# Altium PCB mainboard.PcbDoc (part 1 of 2)
Units mil, origin at the board's own origin, x right, y up, seen from the top; angles counter-clockwise.
Board outline 4724.41 x 2362.21 mil, 2 copper layers (Top Layer, Bottom Layer); 92 components, 82 nets, 574 pads, 267 vias.
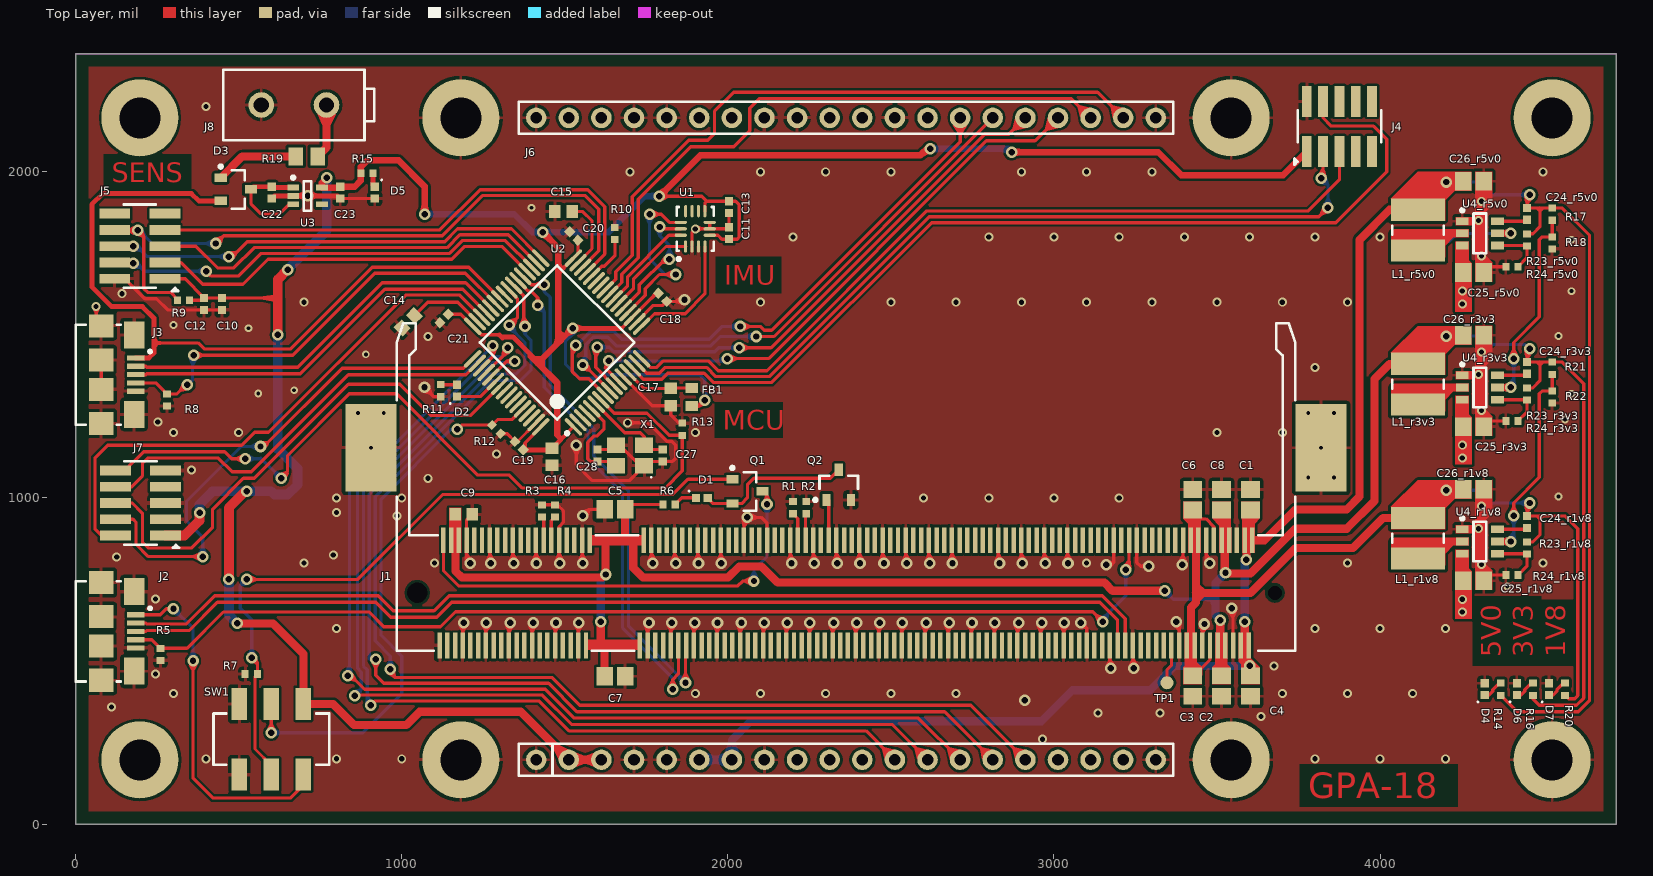
[diagram p0: Top Layer view]
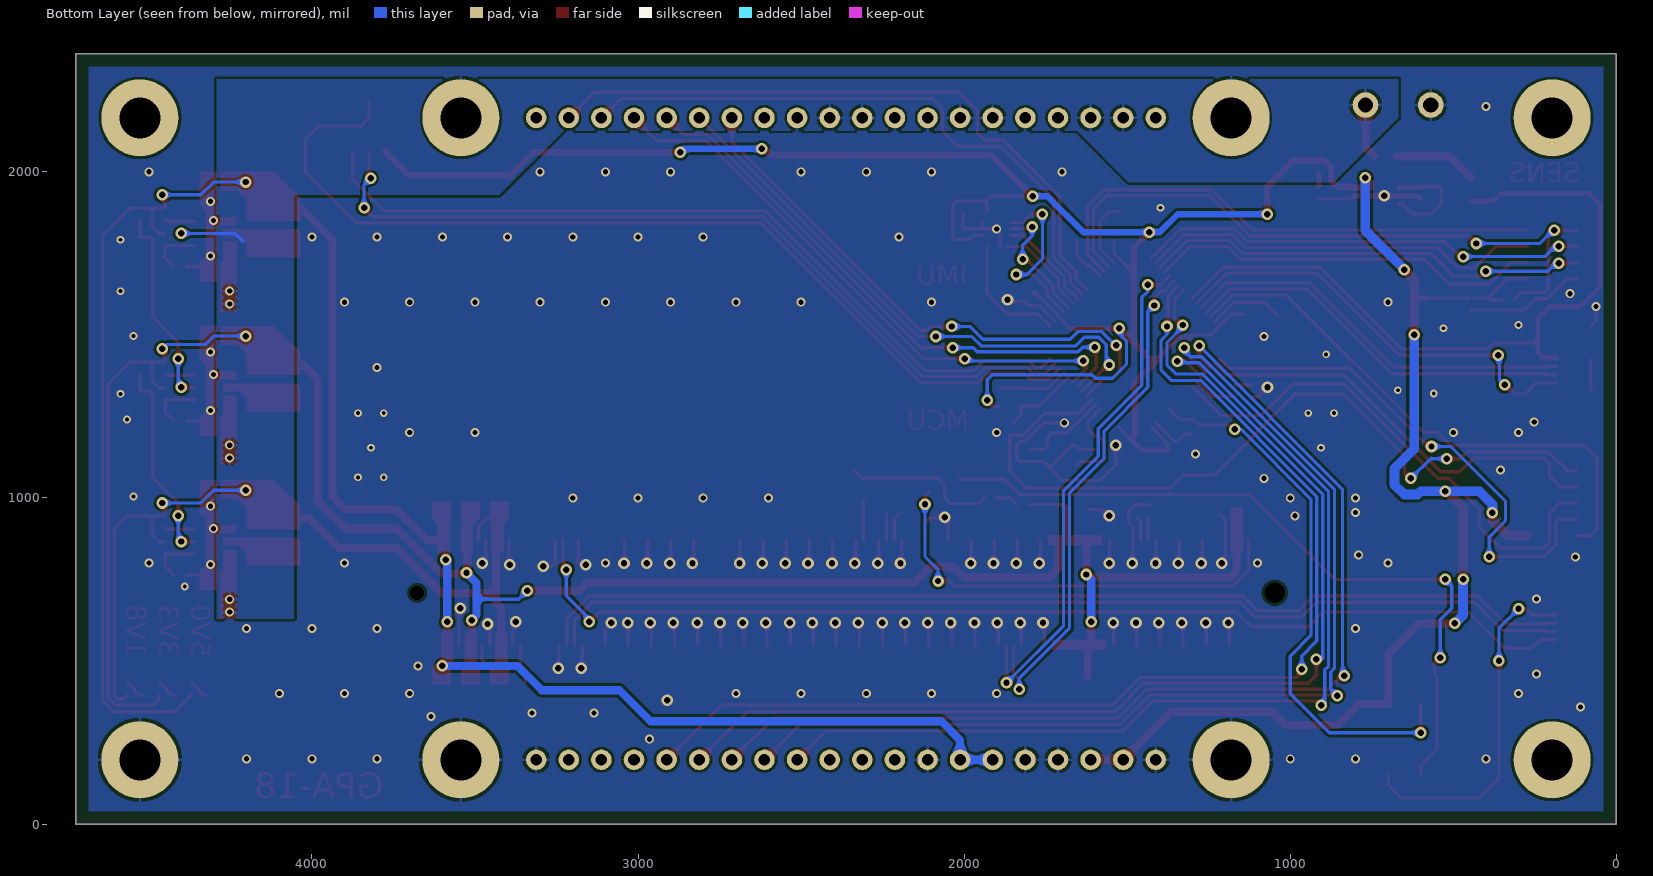
[diagram p1: Bottom Layer view, seen from below]

## Layer stack, top to bottom
Top Solder: solder mask 0.4, Solder Resist, Dk 3.5
Top Layer: signal copper 1.4
Dielectric 1: dielectric 12.6, FR-4, Dk 4.8
Bottom Layer: signal copper 1.4
Bottom Solder: solder mask 0.4, Solder Resist, Dk 3.5

## Board outline
0,0 4724.41,0 4724.41,2362.2 0,2362.21

## Design rules (kind name [scope] priority, off if disabled: settings)
BoardOutlineClearance [not OnSilkscreen] p1: gap=39.37 ignorepadtopadclearanceinfootprint=FALSE
Clearance [All] p1: gap=8 ignorepadtopadclearanceinfootprint=TRUE
DiffPairsRouting [All] p1: maxlimit=10 minlimit=10 mostfreqgap=10 toplayer_minwidth=8 toplayer_maxwidth=15 toplayer_prefwidth=10 bottomlayer_minwidth=8 bottomlayer_maxwidth=15 bottomlayer_prefwidth=10 maxuncoupledlength=500
HoleSize [All] p1: absolutevalues=TRUE maxlimit=236.22 minlimit=0.98 maxpercent=80.000 minpercent=20.000
MinimumSolderMaskSliver [All vs not All] p1: minsoldermaskwidth=0
PolygonConnect PolygonConnect_1 [All vs IsVia and InNet('GND')] p1: thpad.connectstyle=Direct thpad.reliefconductorwidth=10 thpad.reliefentries=4 thpad.polygonreliefangle="90 Angle" thpad.airgapwidth=10 smdpad.connectstyle=Relief smdpad.reliefconductorwidth=10 smdpad.reliefentries=4 smdpad.polygonreliefangle="90 Angle" smdpad.airgapwidth=10 via.connectstyle=Direct via.reliefconductorwidth=10 via.reliefentries=4 via.polygonreliefangle="90 Angle" via.airgapwidth=10
PolygonConnect [All] p2: connectstyle=Relief reliefconductorwidth=10 reliefentries=4 polygonreliefangle="90 Angle" airgapwidth=10
RoomDefinition r5v0 [InComponentClass('r5v0')] p1: confinementstyle=ConfineIn formatcopy=TRUE lockcomponents=FALSE outline 3984.29,1592.57 4574.84,1592.57 4574.84,2065.01 3984.29,2065.01
RoomDefinition r3v3 [InComponentClass('r3v3')] p2: confinementstyle=ConfineIn formatcopy=TRUE lockcomponents=FALSE outline 3970.18,1108.61 4560.73,1108.61 4560.73,1620.43 3970.18,1620.43
RoomDefinition r1v8 [InComponentClass('r1v8')] p3: confinementstyle=ConfineIn formatcopy=TRUE lockcomponents=FALSE outline 3940.31,655.7 4570.24,655.7 4570.24,1167.51 3940.31,1167.51
RoutingVias [All] p1: holewidth=19.68 width=35.43 viastyle="Through Hole" minholewidth=15.75 minwidth=27.56 maxholewidth=78.74 maxwidth=157.48
SilkToSilkClearance [All vs not all] p1: silktosilkclearance=10
SilkToSolderMaskClearance [IsPad vs not All] p1: minsilkscreentomaskgap=10 clearancetoexposedcopper=TRUE
SolderMaskExpansion [All] p1: expansion=4
Width [All] p1: maxlimit=50 minlimit=8 preferedwidth=10
25 further rules are at their usual default settings.

## Classes and differential pairs
channel class switchreg: r1v8 r3v3 r5v0
component class r5v0: C24_r5v0 C25_r5v0 C26_r5v0 L1_r5v0 R23_r5v0 R24_r5v0 U4_r5v0
component class r3v3: C24_r3v3 C25_r3v3 C26_r3v3 L1_r3v3 R23_r3v3 R24_r3v3 U4_r3v3
component class r1v8: C24_r1v8 C25_r1v8 C26_r1v8 L1_r1v8 R23_r1v8 R24_r1v8 U4_r1v8
component class Power: C22 C23 D3 D4 D5 D6 D7 J8 R14 R15 R16 R17 R18 R19 R20 R21 R22 U3
component class MCU: C10 C11 C12 C13 C14 C15 C16 C17 C18 C19 C20 C21 C27 C28 D2 FB1 J4 J5 J6 J7 R9 R10 R11 R12 R13 U1 U2 X1
component class mainboard: C1 C2 C3 C4 C5 C6 C7 C8 C9 D1 J1 J2 J3 Q1 Q2 R1 R2 R3 R4 R5 R6 R7 R8 SW1 TP1
differential pair D1: +D1_P -D1_N
differential pair D0: +D0_P -D0_N

## Components (designator, comment, footprint, x,y, rotation, side; value= is the part's Value field where it differs from the comment)
C1 "cap" CAPC2012X11N 3602.36,994.09 r90 top value=22u
C2 "cap" CAPC2012X11N 3513.78,423.23 r270 top value=22u
C3 "cap" CAPC2012X11N 3425.2,423.23 r270 top value=22u
C4 "cap" CAPC2012X11N 3602.36,423.23 r270 top value=22u
C5 "cap" CAPC2012X11N 1653.54,964.57 r180 top value=22u
C6 "cap" CAPC2012X11N 3425.2,994.09 r90 top value=22u
C7 "cap" CAPC2012X11N 1653.54,452.76 r180 top value=22u
C8 "cap" CAPC2012X11N 3513.78,994.09 r270 top value=22u
C9 "cap" CAPC1608X08N 1190,950 r180 top value=4u7
C10 "cap" CAPC1005X06N 448.82,1594.49 r90 top value=100n
C11 "cap" CAPC1005X06N 2003.54,1811.54 r90 top value=100n
C12 "cap" CAPC1005X06N 393.7,1594.49 r90 top value=100n
C13 "cap" CAPC1005X06N 2003.54,1891.54 r270 top value=100n
C14 "cap" CAPC1608X08N 1020,1540 r45 top value=2u2
C15 "cap" CAPC1608X08N 1496.06,1877.95 r0 top value=2u2
C16 "cap" CAPC1608X08N 1460.63,1125.98 r90 top value=1u
C17 "cap" CAPC1608X08N 1824.76,1309.06 r90 top value=4u7
C18 "cap" CAPC1005X06N 1800,1615 r135 top value=100n
C19 "cap" CAPC1005X06N 1360,1160 r315 top value=100n
C20 "cap" CAPC1005X06N 1527.56,1803.15 r315 top value=100n
C21 "cap" CAPC1005X06N 1130,1550 r45 top value=100n
C22 "cap" CAPC1005X06N 601.18,1936.06 r90 top value=100n
C23 "cap" CAPC1005X06N 811.18,1936.06 r90 top value=100n
C24_r1v8 "cap" CAPC1005X06N 4450.1,926.14 r90 top value=100n (schematic designator C24)
C24_r3v3 "cap" CAPC1005X06N 4450.1,1398.58 r90 top value=100n (schematic designator C24)
C24_r5v0 "cap" CAPC1005X06N 4450.1,1871.02 r90 top value=100n (schematic designator C24)
C25_r1v8 "cap" CAPC2012X11N 4286.1,746.14 r180 top value=22u (schematic designator C25)
C25_r3v3 "cap" CAPC2012X11N 4286.1,1218.58 r180 top value=22u (schematic designator C25)
C25_r5v0 "cap" CAPC2012X11N 4286.1,1691.02 r180 top value=22u (schematic designator C25)
C26_r1v8 "cap" CAPC2012X11N 4286.1,1026.14 r180 top value=100n (schematic designator C26)
C26_r3v3 "cap" CAPC2012X11N 4286.1,1498.58 r180 top value=100n (schematic designator C26)
C26_r5v0 "cap" CAPC2012X11N 4286.1,1971.02 r180 top value=100n (schematic designator C26)
C27 "cap" CAPC1005X06N 1800,1130 r90 top value=15p
C28 "cap" CAPC1005X06N 1600,1130 r270 top value=15p
D1 "led" CAPCP1005X06N 1920,1000 r0 top value=GREEN
D2 "diode" CAPCP1005X06N 1169.68,1328.74 r90 top value=RED
D3 "BAS40-5" SOT23_CC 491.18,1946.06 r0 top
D4 "led" CAPCP1005X06N 4320.87,413.39 r90 top value=RED
D5 "led" CAPCP1005X06N 917.32,1936 r270 top value=RED
D6 "led" CAPCP1005X06N 4419.29,413.39 r90 top value=RED
D7 "led" CAPCP1005X06N 4517.72,413.39 r90 top value=RED
FB1 "ferrite" INDC1608X08N 1889.76,1309.06 r90 top value=100R
J1 "Raspberry CM2" raspi_cm3 2362.2,708.66 r0 top locked
J2 "usb_micro" usb_micro_10118192-0001LF 78.74,590.55 r270 top
J3 "usb_micro" usb_micro_10118192-0001LF 78.74,1377.95 r270 top
J4 "2x5" hdr_2x5_50mil 3875.21,2139.05 r0 top
J5 "2x5" hdr_2x5_50mil 196.85,1771.65 r90 top
J6 "EDGSM18" edgsm_shield 2362.2,1181.1 r90 top locked
J7 "SWD" hdr_2x5_50mil 198.82,984.25 r90 top
J8 "hdr_1x2" hdr_1x2_200mil 669.29,2204.72 r180 top
L1_r1v8 "inds" INDC4040X18N 4116.1,876.14 r90 top value=100u (schematic designator L1)
L1_r3v3 "inds" INDC4040X18N 4116.1,1348.58 r90 top value=100u (schematic designator L1)
L1_r5v0 "inds" INDC4040X18N 4116.1,1821.02 r90 top value=100u (schematic designator L1)
Q1 "NTR4003N" SOT95P235X100-3N 2060,1020 r0 top
Q2 "NTR4003N" SOT95P235X100-3N 2340,1040 r90 top
R1 "res" RESC1005X04N 2200,970 r270 top value=10K
R2 "res" RESC1005X04N 2240,970 r270 top value=10K
R3 "res" RESC1005X04N 1430,960 r270 top value=10K
R4 "res" RESC1005X04N 1470,960 r270 top value=10K
R5 "res" RESC1005X04N 260,520 r90 top value=47K
R6 "res" RESC1005X04N 1820,980 r180 top value=470R
R7 "res" RESC1005X04N 538.7,460 r180 top value=47K
R8 "res" RESC1005X04N 280,1300 r90 top value=47K
R9 "res" RESC1005X04N 330.71,1606.3 r0 top value=10K
R10 "res" RESC1005X04N 1653.54,1811.02 r270 top value=47K
R11 "res" RESC1005X04N 1119.68,1328.74 r270 top value=10K
R12 "res" RESC1005X04N 1290,1210 r135 top value=47K
R13 "res" RESC1005X04N 1860.24,1210.63 r270 top value=47K
R14 "res" RESC1005X04N 4370.08,413.39 r90 top value=10K
R15 "res" RESC1005X04N 893.32,1995 r0 top value=10K
R16 "res" RESC1005X04N 4468.5,413.39 r90 top value=10K
R17 "res" RESC1005X04N 4527.56,1870.08 r270 top value=10K
R18 "res" RESC1005X04N 4527.56,1781.5 r90 top value=10K
R19 "res" RESC2012X06N 708.66,2047.24 r180 top value=POLY
R20 "res" RESC1005X04N 4566.93,413.39 r90 top value=10K
R21 "res" RESC1005X04N 4527.56,1397.64 r270 top value=10K
R22 "res" RESC1005X04N 4527.56,1309.06 r90 top value=10K
R23_r1v8 "res" RESC1005X04N 4450.1,846.14 r90 top value=10K (schematic designator R23)
R23_r3v3 "res" RESC1005X04N 4450.1,1318.58 r90 top value=10K (schematic designator R23)
R23_r5v0 "res" RESC1005X04N 4450.1,1791.02 r90 top value=10K (schematic designator R23)
R24_r1v8 "res" RESC1005X04N 4404.1,763.44 r0 top value=10K (schematic designator R24)
R24_r3v3 "res" RESC1005X04N 4404.1,1235.88 r0 top value=10K (schematic designator R24)
R24_r5v0 "res" RESC1005X04N 4404.1,1708.32 r0 top value=10K (schematic designator R24)
SW1 "slide_dpdt" JS202011SCQN 600,260 r0 top
TP1 "VCORE" testpoint_smd 3346.46,433.07 r90 top
U1 "LSM6DSMTR" QFN50P300X250X86-14N 1900,1825 r90 top
U2 "STM32F415RGT6" STM-LQFP64_N 1476.38,1476.38 r135 top
U3 "MIC5365/6" SOT65P210X110-5N 711.18,1926.06 r0 top
U4_r1v8 "TPS56120x" SOT95P280X110-6N 4306.1,866.14 r0 top (schematic designator U4)
U4_r3v3 "TPS56120x" SOT95P280X110-6N 4306.1,1338.58 r0 top (schematic designator U4)
U4_r5v0 "TPS56120x" SOT95P280X110-6N 4306.1,1811.02 r0 top (schematic designator U4)
X1 "FA-238" DFN220P320X70-4N 1700,1130 r180 top

## Footprints (in the part's own frame and the unit in brackets; to place one, negate y for a bottom-side part, rotate by r counter-clockwise, add the part's x,y. Pads: shape width x height; smd on the part's side, far side on the other; paste and mask are expansions set on the pad)
CAPC1005X06N [mm] "Chip Capacitor, 2-Leads, Body 1.00x0.50mm, IPC Medium Density"
  rect 0.64x0.64 smd: 1(-0.46,0) 2(0.46,0)
  body extent -0.55,-0.3 0.55,0.3, height 0.6
CAPC1608X08N [mm] "Chip Capacitor, 2-Leads, Body 1.60x0.80mm, IPC Medium Density"
  rect 0.9x1 smd: 1(-0.675,0) 2(0.675,0)
  body extent -0.87,-0.48 0.87,0.48, height 0.85
CAPC2012X11N [mm] "Chip Capacitor, 2-Leads, Body 2.00x1.25mm, IPC Medium Density"
  rect 1.3x1.45 smd: 1(-0.8,0) 2(0.8,0)
  body extent -1.1,-0.72 1.1,0.72, height 1.1
CAPCP1005X06N [mm] "Chip Capacitor, 2-Leads, Body 1.00x0.50mm, IPC Medium Density"
  rect 0.64x0.64 smd: 1(-0.46,0) 2(0.46,0)
  silkscreen extent -1.04,0.48 -0.94,0.58, body extent -0.5,-0.25 0.5,0.25, height 0.5
DFN220P320X70-4N [mm] "DFN, 4-Leads, Body 2.50x3.20mm, Pitch 2.20mm, IPC Medium Density"
  rect 1.4x1.2 smd: 1(-1.1,-0.8) 2(1.1,0.8) SHIELD(-1.1,0.8) SHIELD(1.1,-0.8)
  silkscreen extent -1.7,1.65 -1.6,1.75, body extent -1.7,-1.35 1.7,1.35, height 0.7
edgsm_shield [mm]
  round 1.6 hole 0.9: 1(-25,24.13) 2(-25,21.59) 3(-25,19.05) 4(-25,16.51) 5(-25,13.97) 6(-25,11.43) 7(-25,8.89) 8(-25,6.35) 9(-25,3.81) 10(-25,1.27) 11(-25,-1.27) 12(-25,-3.81) 13(-25,-6.35) 14(-25,-8.89) 15(-25,-11.43) 16(-25,-13.97) 17(-25,-16.51) 18(-25,-19.05) 19(-25,-21.59) 20(-25,-24.13) 21(25,24.13) 22(25,21.59) 23(25,19.05) 24(25,16.51) 25(25,13.97) 26(25,11.43) 27(25,8.89) 28(25,6.35) 29(25,3.81) 30(25,1.27) 31(25,-1.27) 32(25,-3.81) 33(25,-6.35) 34(25,-8.89) 35(25,-11.43) 36(25,-13.97) 37(25,-16.51) 38(25,-19.05) 39(25,-21.59) 40(25,-24.13)
  round 6 hole 3.2: MH1(-25,30) MH2(-25,-30) MH3(25,-30) MH4(25,30)
  silkscreen extent -26.25,-25.5 26.25,25.5, body extent -27.8,-32.8 27.8,32.8, height 10
hdr_1x2_200mil [mm]
  round 2 hole 1.2: 1(-2.54,0) 2(2.54,0)
  silkscreen extent -6.25,-2.75 5.5,2.75
hdr_2x5_50mil [mm] "2x5 Pin header, 50mil pitch"
  rect 0.76x2.4 smd: 1(-2.54,-1.95) 2(-2.54,1.95) 2(-2.54,1.95) 3(-1.27,-1.95) 4(-1.27,1.95) 5(0,-1.95) 6(0,1.95) 7(1.27,-1.95) 8(1.27,1.95) 9(2.54,-1.95) 10(2.54,1.95)
  silkscreen extent -3.5,-3 3.25,1.25, body extent -3.17,-2.75 3.18,2.75, height 4.5
INDC1608X08N [mm] "Chip Inductor, 2-Leads, Body 1.60x0.80mm, IPC Medium Density"
  rect 0.79x0.98 smd: 1(-0.705,0) 2(0.705,0)
  body extent -0.87,-0.48 0.87,0.48, height 0.85
INDC4040X18N [mm] "Chip Inductor, 2-Leads, Body 4.00x4.00mm, IPC Medium Density"
  rect 1.73x4.22 smd: 1(-1.585,0) 2(1.585,0)
  silkscreen extent -0.35,-2.01 0.35,2.01, body extent -2.1,-2.1 2.1,2.1, height 1.8
JS202011SCQN [mm] "JS202011SCQN DPDT Switch"
  rect 1.2x2.5 smd: COM1(0,2.75) COM2(0,-2.75) NC1(-2.5,2.75) NC2(-2.5,-2.75) NO1(2.5,2.75) NO2(2.5,-2.75)
  silkscreen extent -4.5,-2 4.5,2, body extent -4.5,-3.75 4.5,3.75, height 5.47
QFN50P300X250X86-14N [mm] "QFN, 14-Leads, Body 3.00x2.50mm, Pitch 0.50mm, IPC Medium Density"
  oval 0.95x0.25 smd: 1(-1.375,0.75) 2(-1.375,0.25) 3(-1.375,-0.25) 4(-1.375,-0.75) 8(1.375,-0.75) 9(1.375,-0.25) 10(1.375,0.25) 11(1.375,0.75)
  oval 0.25x0.95 smd: 5(-0.5,-1.125) 6(0,-1.125) 7(0.5,-1.125) 12(0.5,1.125) 13(0,1.125) 14(-0.5,1.125)
  silkscreen extent -2.47,-1.45 1.7,1.45, body extent -1.6,-1.35 1.6,1.35, height 0.86
raspi_cm3 [mm]
  rect 0.35x2 smd: 1(-31.65,-4.1) 2(-31.35,4.1) 3(-31.05,-4.1) 4(-30.75,4.1) 5(-30.45,-4.1) 6(-30.15,4.1) 7(-29.85,-4.1) 8(-29.55,4.1) 9(-29.25,-4.1) 10(-28.95,4.1) 11(-28.65,-4.1) 12(-28.35,4.1) 13(-28.05,-4.1) 14(-27.75,4.1) 15(-27.45,-4.1) 16(-27.15,4.1) 17(-26.85,-4.1) 18(-26.55,4.1) 19(-26.25,-4.1) 20(-25.95,4.1) 21(-25.65,-4.1) 22(-25.35,4.1) 23(-25.05,-4.1) 24(-24.75,4.1) 25(-24.45,-4.1) 26(-24.15,4.1) 27(-23.85,-4.1) 28(-23.55,4.1) 29(-23.25,-4.1) 30(-22.95,4.1) 31(-22.65,-4.1) 32(-22.35,4.1) 33(-22.05,-4.1) 34(-21.75,4.1) 35(-21.45,-4.1) 36(-21.15,4.1) 37(-20.85,-4.1) 38(-20.55,4.1) 39(-20.25,-4.1) 40(-19.95,4.1) 41(-16.05,-4.1) 42(-15.75,4.1) 43(-15.45,-4.1) 44(-15.15,4.1) 45(-14.85,-4.1) 46(-14.55,4.1) 47(-14.25,-4.1) 48(-13.95,4.1) 49(-13.65,-4.1) 50(-13.35,4.1) 51(-13.05,-4.1) 52(-12.75,4.1) 53(-12.45,-4.1) 54(-12.15,4.1) 55(-11.85,-4.1) 56(-11.55,4.1) 57(-11.25,-4.1) 58(-10.95,4.1) 59(-10.65,-4.1) 60(-10.35,4.1) 61(-10.05,-4.1) 62(-9.75,4.1) 63(-9.45,-4.1) 64(-9.15,4.1) 65(-8.85,-4.1) 66(-8.55,4.1) 67(-8.25,-4.1) 68(-7.95,4.1) 69(-7.65,-4.1) 70(-7.35,4.1) 71(-7.05,-4.1) 72(-6.75,4.1) 73(-6.45,-4.1) 74(-6.15,4.1) 75(-5.85,-4.1) 76(-5.55,4.1) 77(-5.25,-4.1) 78(-4.95,4.1) 79(-4.65,-4.1) 80(-4.35,4.1) 81(-4.05,-4.1) 82(-3.75,4.1) 83(-3.45,-4.1) 84(-3.15,4.1) 85(-2.85,-4.1) 86(-2.55,4.1) 87(-2.25,-4.1) 88(-1.95,4.1) 89(-1.65,-4.1) 90(-1.35,4.1) 91(-1.05,-4.1) 92(-0.75,4.1) 93(-0.45,-4.1) 94(-0.15,4.1) 95(0.15,-4.1) 96(0.45,4.1) 97(0.75,-4.1) 98(1.05,4.1) 99(1.35,-4.1) 100(1.65,4.1) 101(1.95,-4.1) 102(2.25,4.1) 103(2.55,-4.1) 104(2.85,4.1) 105(3.15,-4.1) 106(3.45,4.1) 107(3.75,-4.1) 108(4.05,4.1) 109(4.35,-4.1) 110(4.65,4.1) 111(4.95,-4.1) 112(5.25,4.1) 113(5.55,-4.1) 114(5.85,4.1) 115(6.15,-4.1) 116(6.45,4.1) 117(6.75,-4.1) 118(7.05,4.1) 119(7.35,-4.1) 120(7.65,4.1) 121(7.95,-4.1) 122(8.25,4.1) 123(8.55,-4.1) 124(8.85,4.1) 125(9.15,-4.1) 126(9.45,4.1) 127(9.75,-4.1) 128(10.05,4.1) 129(10.35,-4.1) 130(10.65,4.1) 131(10.95,-4.1) 132(11.25,4.1) 133(11.55,-4.1) 134(11.85,4.1) 135(12.15,-4.1) 136(12.45,4.1) 137(12.75,-4.1) 138(13.05,4.1) 139(13.35,-4.1) 140(13.65,4.1) 141(13.95,-4.1) 142(14.25,4.1) 143(14.55,-4.1) 144(14.85,4.1) 145(15.15,-4.1) 146(15.45,4.1) 147(15.75,-4.1) 148(16.05,4.1) 149(16.35,-4.1) 150(16.65,4.1) 151(16.95,-4.1) 152(17.25,4.1) 153(17.55,-4.1) 154(17.85,4.1) 155(18.15,-4.1) 156(18.45,4.1) 157(18.75,-4.1) 158(19.05,4.1) 159(19.35,-4.1) 160(19.65,4.1) 161(19.95,-4.1) 162(20.25,4.1) 163(20.55,-4.1) 164(20.85,4.1) 165(21.15,-4.1) 166(21.45,4.1) 167(21.75,-4.1) 168(22.05,4.1) 169(22.35,-4.1) 170(22.65,4.1) 171(22.95,-4.1) 172(23.25,4.1) 173(23.55,-4.1) 174(23.85,4.1) 175(24.15,-4.1) 176(24.45,4.1) 177(24.75,-4.1) 178(25.05,4.1) 179(25.35,-4.1) 180(25.65,4.1) 181(25.95,-4.1) 182(26.25,4.1) 183(26.55,-4.1) 184(26.85,4.1) 185(27.15,-4.1) 186(27.45,4.1) 187(27.75,-4.1) 188(28.05,4.1) 189(28.35,-4.1) 190(28.65,4.1) 191(28.95,-4.1) 192(29.25,4.1) 193(29.55,-4.1) 194(29.85,4.1) 195(30.15,-4.1) 196(30.45,4.1) 197(30.75,-4.1) 198(31.05,4.1) 199(31.35,-4.1) 200(31.65,4.1)
  round 0.8 hole 1.6: MH(-33.4,0)
  round 0.8 hole 1.1: MH(33.4,0)
  rect 4x6.8 smd: SHIELD(-37,11.3) SHIELD(37,11.3)
  silkscreen extent -35,-4.5 35,21, body extent -37.95,-4.95 37.95,30, height 9.48
RESC1005X04N [mm] "Chip Resistor, 2-Leads, Body 1.05x0.54mm, IPC Medium Density"
  rect 0.55x0.6 smd: 1(-0.475,0) 2(0.475,0)
  body extent -0.55,-0.3 0.55,0.3, height 0.4
RESC2012X06N [mm] "Chip Resistor, 2-Leads, Body 2.00x1.25mm, IPC Medium Density"
  rect 1.15x1.4 smd: 1(-0.85,0) 2(0.85,0)
  body extent -1.07,-0.7 1.07,0.7, height 0.65
SOT23_CC [mm] "SOT23, 3-Leads, Body 2.90x2.40mm, Pitch 0.90mm, IPC Medium Density"
  rect 0.95x0.65 smd: A1(-1.175,0.9) A2(-1.175,-0.9) C(1.175,0)
  silkscreen extent -1.3,-1.5 0.7,1.9, body extent -1.25,-1.5 1.25,1.5, height 1
SOT65P210X110-5N [mm] "SOT23, 5-Leads, Body 2.03x2.10mm, Pitch 0.65mm, IPC Medium Density"
  rect 0.9x0.45 smd: 1(-1.125,0.65) 2(-1.125,0) 3(-1.125,-0.65) 4(1.125,-0.65) 5(1.125,0.65)
  silkscreen extent -1.25,-1.15 0.3,1.55, body extent -1.2,-1.12 1.2,1.12, height 1.1
SOT95P235X100-3N [mm] "SOT23, 3-Leads, Body 2.90x2.35mm, Pitch 0.95mm, IPC Medium Density"
  rect 0.95x0.65 smd: D(1.175,0) G(-1.175,0.95) S(-1.175,-0.95)
  silkscreen extent -1.3,-1.5 0.7,1.95, body extent -1.3,-1.5 1.3,1.5, height 1
SOT95P280X110-6N [mm] "SOT23, 6-Leads, Body 2.90x2.80mm, Pitch 0.95mm, IPC Medium Density - TPS56120x"
  rect 1x0.6 smd: 1(-1.375,0.95) 2(-1.375,0) 3(-1.375,-0.95) 4(1.375,-0.95) 5(1.375,0) 6(1.375,0.95)
  silkscreen extent -1.5,-1.55 0.5,1.92, body extent -1.53,-1.53 1.53,1.53, height 1.1
STM-LQFP64_N [mm] "Thin QFP, 64-Leads, Body 10x10mm, Pitch 0.5mm, IPC Medium Density"
  oval 1.8x0.3 smd: 1(-5.55,3.75) 2(-5.55,3.25) 3(-5.55,2.75) 4(-5.55,2.25) 5(-5.55,1.75) 6(-5.55,1.25) 7(-5.55,0.75) 8(-5.55,0.25) 9(-5.55,-0.25) 10(-5.55,-0.75) 11(-5.55,-1.25) 12(-5.55,-1.75) 13(-5.55,-2.25) 14(-5.55,-2.75) 15(-5.55,-3.25) 16(-5.55,-3.75) 33(5.55,-3.75) 34(5.55,-3.25) 35(5.55,-2.75) 36(5.55,-2.25) 37(5.55,-1.75) 38(5.55,-1.25) 39(5.55,-0.75) 40(5.55,-0.25) 41(5.55,0.25) 42(5.55,0.75) 43(5.55,1.25) 44(5.55,1.75) 45(5.55,2.25) 46(5.55,2.75) 47(5.55,3.25) 48(5.55,3.75)
  oval 0.3x1.8 smd: 17(-3.75,-5.55) 18(-3.25,-5.55) 19(-2.75,-5.55) 20(-2.25,-5.55) 21(-1.75,-5.55) 22(-1.25,-5.55) 23(-0.75,-5.55) 24(-0.25,-5.55) 25(0.25,-5.55) 26(0.75,-5.55) 27(1.25,-5.55) 28(1.75,-5.55) 29(2.25,-5.55) 30(2.75,-5.55) 31(3.25,-5.55) 32(3.75,-5.55) 49(3.75,5.55) 50(3.25,5.55) 51(2.75,5.55) 52(2.25,5.55) 53(1.75,5.55) 54(1.25,5.55) 55(0.75,5.55) 56(0.25,5.55) 57(-0.25,5.55) 58(-0.75,5.55) 59(-1.25,5.55) 60(-1.75,5.55) 61(-2.25,5.55) 62(-2.75,5.55) 63(-3.25,5.55) 64(-3.75,5.55)
  silkscreen extent -5.67,-4.25 4.25,4.57, body extent -5,-5 5,5, height 1.6
testpoint_smd [mil] "Surfacemount testpoint"
  round 40 smd: 1(0,0)
usb_micro_10118192-0001LF [mm] "10118192-0001LF"
  rect 0.4x1.35 smd: 1(-1.3,2.675) 2(-0.65,2.675) 3(0,2.675) 4(0.65,2.675) 5(1.3,2.675)
  rect 1.8x1.9 smd: SHIELD(-3.8,0) SHIELD(-1.15,0) SHIELD(1.15,0) SHIELD(3.8,0)
  rect 2.1x1.6 smd: SHIELD(-3.1,2.55) SHIELD(3.1,2.55)
  silkscreen extent -3.9,-2 3.9,3.9, body extent -3.96,-2.7 3.96,2.96, height 2.79

## Part data
C1 C2 C3 C4 C5 C6 C7 C8 C9 C10 C11 C12 C13 C14 C15 C16 C17 C18 C19 C20 C21 C22 C23 C24_r1v8 C24_r3v3 C24_r5v0 C25_r1v8 C25_r3v3 C25_r5v0 C26_r1v8 C26_r3v3 C26_r5v0 C27 C28: "Capacitor"
D1 D4 D5 D6 D7: "LED"
D2: "Diode"
D3: library part diode_dual_cc, "Diode Common Cathode"
FB1 L1_r1v8 L1_r3v3 L1_r5v0: "Inductor"
J1: library part raspicm2
J2 J3: "Micro USB Receptacle"
J4 J5: library part hdr_2x5, "2x5 Header"
J6: library part edgsm18_shield
J7: library part hdr_swd, "SWD Header"
J8: "1x2 Header"
Q1 Q2: library part ntr4003n, "N-channel Mosfet"
R1 R2 R3 R4 R5 R6 R7 R8 R9 R10 R11 R12 R13 R14 R15 R16 R17 R18 R19 R20 R21 R22 R23_r1v8 R23_r3v3 R23_r5v0 R24_r1v8 R24_r3v3 R24_r5v0: "Resistor"
SW1: "DPDT"
TP1: library part testpoint, "Test point"
U1: library part lsm6dsmtr, "6DOF IMU acc+gyro"
U2: "ARM Cortex-M4 32-bit MCU+FPU, 210 DMIPS, 1024 kB Flash, 192 kB Internal RAM, 51 I/Os, 64-pin LQFP, -40 to 85 degC, Tray", I/Os (High Current)=51, Manufacturer=STMicroelectronics, Operating Frequency(F) (Processor speed) (MHz)=168, Supplier Part Number 1=497-11907-ND, Supply Voltage(Vcc) max (V)=3.6, Supply Voltage(Vcc) min (V)=1.8, ComponentLink1Description="Manufacturer URL", ComponentLink1URL=http://www.st.com/web/en/home.html, ComponentLink2Description=Datasheet, ComponentLink2URL=http://www.st.com/st-web-ui/static/active/en/resource/technical/document/datasheet/DM00035129.pdf, ComponentLink3Description="Package Specification", ComponentLink3URL=http://www.st.com/st-web-ui/static/active/en/resource/technical/document/datasheet/DM00037051.pdf, Core="ARM Cortex-M4", D/A Converter=2x12-bit, DatasheetVersion="Rev. 4", FLASH Size (Prog) (kB)=1024, Internal RAM Size (kB)=192, Mounting Technology="Surface Mount", PackageDescription="64-Pin Low Profile Quad Flat Package, 10 x 10 mm Body, 0.5 mm Pitch", PackageReference=LQFP64, PackageVersion="Rev. 4, 06/2013", Packing=Tray, PartNumber=STM32F415RGT6, Supplier 1=Digi-Key, Supplier 2=Farnell, Supplier 3=Newark, Supplier 4=Mouser, Supplier Part Number 2=2064370, Supplier Part Number 3=73T2335, Supplier Part Number 4=511-STM32F415RGT6
U3: library part mic5365, "5pin voltage regulator"
U4_r1v8 U4_r3v3 U4_r5v0: library part tps56120x, "4.5-V to 17-V Input, 1-A Synchronous  Step-Down  Voltage  Regulator  in 6-Pin  SOT-23"
X1: library part crystal, "Crystal With Shield", freq=25MHz

## Free pads (board coordinates)
  round 236.22 hole 125.98: 1(196.85,2165.35) 2(196.85,196.85) 3(4527.56,196.85) 4(4527.56,2165.35)

## Via types
v1: diameter 35.43, hole 19.68, Top Layer to Bottom Layer, 147 vias
v2: diameter 27.56, hole 15.75, Top Layer to Bottom Layer, tented both sides, 63 vias
v3: diameter 27.56, hole 15.75, Top Layer to Bottom Layer, 35 vias
v4: diameter 23.62, hole 11.81, Top Layer to Bottom Layer, 21 vias
v5: diameter 27.56, hole 15.75, Top Layer to Bottom Layer, tented top, 1 vias

## Nets (pads, with @x,y where several pads share a name; then routed paths per layer and width w, separated by ;. In a path a pad name is that pad's centre, name@x,y a point inside that pad or via, vN(x,y) a via of type N, cw(c..) or ccw(c..) an arc to the next point about the centre after c; other vN are vias at no path point)
1V8_SYS: C3.1 C6.1 C24_r1v8.2 C26_r1v8.2 J1.183 J1.184 J1.185 J1.186 J1.189 J1.190 L1_r1v8.2 R20.1 R23_r1v8.2 | length 2568.3
  Top Layer w10: J1.183@3407.48,547.24 3407.48,562.48 3420,575 ; C3.1@3425.2,454.72 3429.13,454.72 3478.34,503.93 J1.189@3478.34,547.24 ; C6.1@3425.2,962.6 3452.4,935.4 3466.18,935.4 3490.15,911.42 J1.190@3490.15,870.08 ; 3435,680 3435.45,679.55 ; 3435,862.17 J1.186@3442.91,870.08 ; v1(4202.76,1023.62) 4246.81,1023.62 4251.97,1028.78 C26_r1v8.2@4254.61,1026.14 ; R23_r1v8.2@4450.1,864.84 4468.8,864.84 4490.1,886.14 4490.1,944.25 ; v1(4458.66,984.25) 4450.1,975.69 C24_r1v8.2@4450.1,944.25 4490.1,944.25 ; R20.1@4566.93,394.68 4577.76,383.86 4596.46,383.86 4606.3,393.7 4606.3,905.51 4567.56,944.25 4490.1,944.25
  Top Layer w25: 3420,575 3420,664.09 3435.45,679.55 ; 3435,680 3435,708.66 ; 3435,862.17 3435,708.66 ; L1_r1v8.2@4116.1,938.54 4009.41,938.54 3917.32,846.46 3740.16,846.46 3602.36,708.66 3435,708.66
  Bottom Layer w10: v1(4202.76,1023.62) 4301.18,1023.62 4340.55,984.25 v1(4458.66,984.25)
3V3_MCU: C10.2 C11.1 C12.2 C13.1 C16.2 C18.2 C19.2 C20.2 C21.2 C23.2 FB1.1 J4.1 J5.1 J6.2 J6.3 J7.1 R9.2 R15.1 SW1.NO1 U1.5 U1.8 U2.1 U2.19 U2.32 U2.48 U2.64 U3.5 | length 10204.8
  Top Layer w10: J5.1@273.62,1671.65 335.83,1671.65 393.31,1614.17 C12.2@393.7,1614.17 ; R9.2@349.41,1606.3 387.4,1606.3 C12.2@393.7,1612.6 C10.2@437.01,1612.6 ; C10.2@448.82,1612.6 620,1612.6 620.08,1612.52 ; C21.2@1142.81,1562.81 1181.16,1562.81 U2.48@1217.48,1526.49 1243.96,1500 1299.21,1500 ; C19.2@1378.01,1147.19 1378.01,1169.22 U2.64@1426.27,1217.48 ; 1480,1688.79 U2.32@1526.49,1735.28 1540.36,1749.16 C20.2@1540.36,1790.34 ; 1489.15,1180.14 U2.1@1526.49,1217.48 ; 1673.9,1519.68 U2.19@1706.34,1552.12 ; U2.19@1707.44,1554.33 C18.2@1780.92,1627.81 ; v1(1790,1925) 1920.16,1925 1935.51,1909.65 ; FB1.1@1889.76,1281.3 1911.22,1281.3 v1(1929.13,1299.21) ; U1.8@1929.53,1879.13 1929.53,1903.66 1935.51,1909.65 ; U1.5@1944.29,1805.31 1969.76,1805.31 1981.65,1793.43 C11.1@2003.54,1793.43 2028.43,1793.43 2035,1800 2035,1898.23 2023.58,1909.65 C13.1@2003.54,1909.65 1935.51,1909.65 ; v1@2610,2070 v1(2620,2070)
  Top Layer w15: 1299.21,1500 1308.62,1490.59 1311.24,1493.22 1341.43,1493.22 1395.95,1438.69 1395.95,1434.14 ; C19.2@1372.81,1147.19 1378.01,1147.19 1455.26,1147.19 C16.2@1460.63,1152.56 1461.57,1152.56 1489.15,1180.14 1476.38,1192.91 ; 1480,1475.45 1486.81,1482.26 v1(1524.23,1519.68) 1673.9,1519.68 ; C18.2@1780.92,1627.81 C18.2@1787.19,1627.81
  Top Layer w20: v1(770,1981.18) 755.47,1966.65 U3.5@755.47,1951.65 808.66,1951.65 C23.2@811.18,1954.17 855.75,1954.17 874.62,1973.05 R15.1@874.62,1995 874.62,2014.62 895,2035 990,2035 1070,1955 v1(1070,1870) ; 1395.95,1434.14 1417.32,1412.77 ; v1(1431.96,1815) 1480,1766.96 1480,1688.79 1480,1489.07 1486.81,1482.26 ; 1476.38,1192.91 1476.38,1353.72 1417.32,1412.77 ; 1480,1475.45 1417.32,1412.77 ; v1(1790,1925) 1915,2050 2590,2050 v1@2610,2070 ; v1(2870,2060) 3320,2060 3390,1990 3702.93,1990 J4.1@3775.21,2062.28
  Top Layer w25: v1(495,615) 605,615 698.43,521.57 SW1.NO1@698.43,368.27 789.73,368.27 854,304 1014,304 1054,344 1365.06,344 J6.2@1512.2,196.85 J6.3@1612.2,196.85
  Top Layer w30: J7.1@275.59,884.25 334.25,884.25 380,930 v1(380,955) ; v1(470,750) 470,970 520,1020 v1(525,1020) ; 620,1612.6 620,1670 v1(650,1700) ; v1(620.08,1500) 620.08,1612.52
  Bottom Layer w10: v1(1524.23,1519.68) 1524.23,1502.32 1502.12,1480.21 1502.12,1409.58 1545,1366.7 1597.06,1366.7 1608.32,1377.95 1913.5,1377.95 1929.13,1362.31 v1(1929.13,1299.21)
  Bottom Layer w20: v1(1070,1870) 1345,1870 1400,1815 v1(1431.96,1815) 1635,1815 1745,1925 v1(1790,1925) ; v1(2620,2070) 2860,2070 v1(2870,2060)
  Bottom Layer w30: v1(380,955) 380,980 420,1020 v1(525,1020) 600,1020 610,1010 650,1010 680,1040 680,1090 620.08,1149.92 v1(620.08,1500) ; v1(470,750) 470,640 v1(495,615) ; v1(650,1700) 770,1820 v1(770,1981.18)
3V3_SYS: C2.1 C5.1 C7.2 C8.2 C9.2 C24_r3v3.2 C26_r3v3.2 J1.4 J1.6 J1.39 J1.40 J1.41 J1.42 J1.191 J1.192 J1.193 J1.194 L1_r3v3.2 R6.2 R16.1 R21.1 R23_r3v3.2 | length 6621.4
  Top Layer w10: J1.39@1564.96,547.24 1622.05,547.24 ; 1622.05,543.31 1622.05,547.24 ; 1651.14,871.14 1685.04,871.14 ; C5.1@1685.04,964.57 1700.47,980 R6.2@1801.3,980 ; J1.41@1730.31,547.24 1622.05,547.24 ; v1(4202.76,1496.06) 4246.81,1496.06 4251.97,1501.22 C26_r3v3.2@4254.61,1498.58 ; R23_r3v3.2@4450.1,1337.28 4468.8,1337.28 4490.1,1358.58 4490.1,1416.34 ; v1(4458.66,1456.69) 4450.1,1448.13 C24_r3v3.2@4450.1,1416.69 4471.99,1416.69 4472.35,1416.34 4490.1,1416.34 ; R16.1@4468.5,394.68 4468.5,383.86 4488.19,364.17 4602.23,364.17 4624.3,386.24 4624.3,1350.11 4558.07,1416.34 R21.1@4527.56,1416.34 4490.1,1416.34
  Top Layer w25: 1165,865 1165,815.97 1164.86,815.83 1164.86,784.17 1165,784.03 1165,775 1184.5,755.5 1615.5,755.5 v1(1625,765) 1625,871.14 1651.14,871.14 ; v1(1610,620) 1610,559.29 1622.05,547.24 ; C7.2@1622.05,452.76 1622.05,543.31 ; C5.1@1685.04,964.57 1685.04,871.14 1686.1,870.08 1710,870.08 1710,785 1739.5,755.5 2000.5,755.5 2035,790 2102.77,790 2152.77,740 3155,740 3180,715 v1(3340,715) ; 3510,555.28 v1(3510,625) ; 3523.62,856.3 3523.62,772.28 v1(3525.91,770) 3528.19,767.72 3602.36,767.72 3740.16,905.51 3897.64,905.51 3982.29,990.16 3982.29,1364.18 4029.09,1410.98 L1_r3v3.2@4116.1,1410.98
  Bottom Layer w10: v1(3340,715) 3365.45,689.55 3495,689.55 ; v1(4202.76,1496.06) 4301.18,1496.06 4327.24,1470 4445.35,1470 v1(4458.66,1456.69)
  Bottom Layer w25: v1(1610,620) 1610,750 v1(1625,765) ; v1(3510,625) 3495,640 3495,689.55 3495,739.09 v1(3525.91,770)
5V0_SYS: C1.1 C4.1 C24_r5v0.2 C26_r5v0.2 J1.197 J1.198 J1.199 J1.200 J6.6 J6.7 L1_r5v0.2 R14.1 R17.1 R23_r5v0.2 | length 5979.3
  Top Layer w10: v1(4202.76,1968.5) 4246.81,1968.5 4251.97,1973.66 C26_r5v0.2@4254.61,1971.02 ; R14.1@4370.08,394.68 4420.28,344.49 4608,344.49 4642.3,378.79 4642.3,1804.55 4558.07,1888.78 R17.1@4527.56,1888.78 4490.1,1888.78 ; R23_r5v0.2@4450.1,1809.72 4468.8,1809.72 4490.1,1831.02 4490.1,1888.78 ; v1(4458.66,1929.13) 4450.1,1920.57 C24_r5v0.2@4450.1,1889.13 4471.99,1889.13 4472.35,1888.78 4490.1,1888.78
  Top Layer w25: 3585,559.41 v1(3585,620) ; v1(3590,810) J1.198@3590,864.72 ; J1.200@3608.26,870.08 3645.67,870.08 3740.16,964.57 3897.64,964.57 3937.01,1003.94 3937.01,1791.34 4029.09,1883.43 L1_r5v0.2@4116.1,1883.43
  Bottom Layer w10: v1(4202.76,1968.5) 4301.18,1968.5 4340.55,1929.13 v1(4458.66,1929.13)
  Bottom Layer w25: J6.6@1912.2,196.85 J6.7@2012.2,196.85 2012.2,257.2 2070,315 2961.22,315 3056.22,410 3295,410 3370,485 v1(3600,485) ; v1(3585,620) 3585,810 v1(3590,810)
D0_N: J3.2 U2.44 | length 1230
  Top Layer w10: J3.2@184.06,1403.54 215.63,1403.54 218.43,1400.75 680.75,1400.75 940,1660 1195.77,1660 U2.44@1273.38,1582.39
D0_P: J3.3 U2.45 | length 1213.4
  Top Layer w10: J3.3@184.06,1377.95 215.63,1377.95 218.43,1380.75 689.03,1380.75 948.28,1640 1187.48,1640 U2.45@1259.23,1568.25
D1_N: J1.167 J2.2 | length 3221.1
  Top Layer w10: J2.2@184.06,616.14 215.63,616.14 218.43,613.35 340,613.35 426.65,700 928.28,700 974.14,654.14 1099.14,654.14 1145,700 3148.28,700 3218.5,629.78 J1.167@3218.5,547.24
D1_P: J1.165 J2.3 | length 3186.5
  Top Layer w10: J2.3@184.06,590.55 215.63,590.55 218.43,593.35 348.28,593.35 434.94,680 920,680 965.86,634.14 1107.43,634.14 1153.28,680 3140,680 3194.88,625.12 J1.165@3194.88,547.24